# KiCad board ece499_project.kicad_pcb (continued)
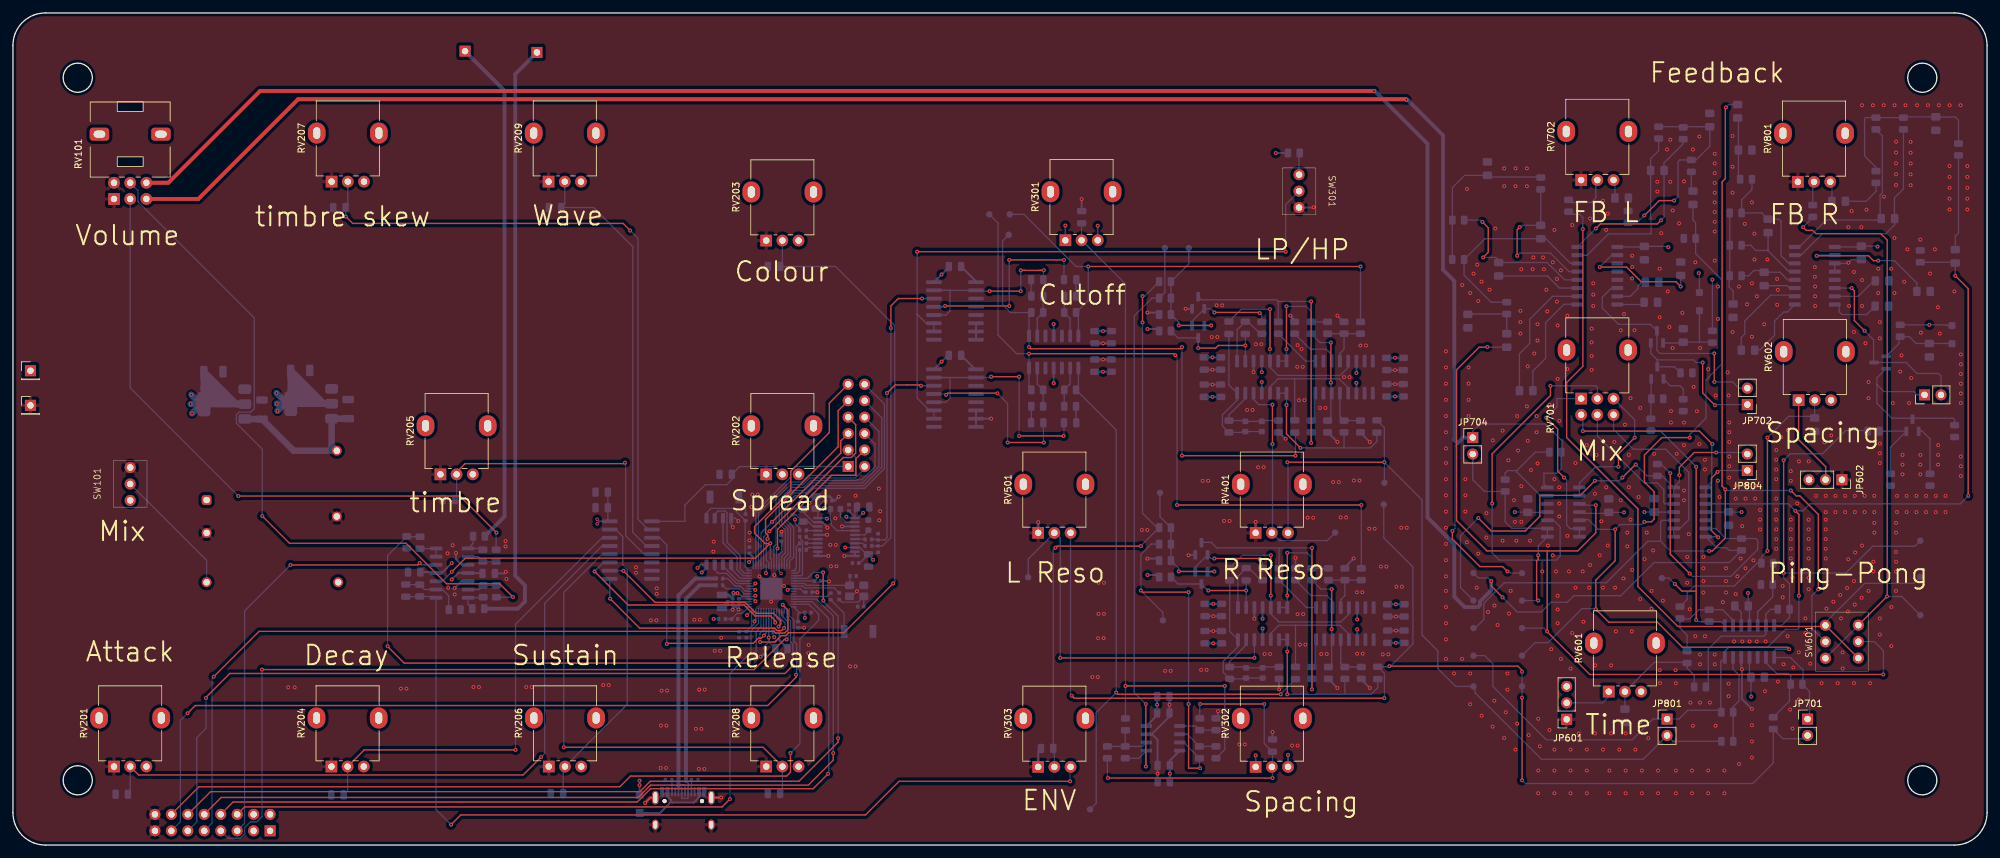
[diagram p0: board, top side]
## Routing (per net, layer and track width the routed paths; a pad name or vN(x,y) marks a point on that pad's centre or on a via; arc(x,y) is an arc through that point) (continued)
/MCU_AUDIO_L: length 32.7
  Top w0.2: v1(140.21,70.93) 140.08,71.06 138.08,71.06 138.08,71.05 136.2,71.05 v1(134.95,69.8)
  Bottom w0.2: v1(140.21,70.93) U304.14 ; R121.1 133.5,47.2 C134.1 134.58,47.12 134.6,47.1 134.95,47.45 v1(134.95,69.8)
/MCU_AUDIO_R: length 46.4
  Top w0.2: v1(135.55,79.85) 135.55,83.26 136.69,84.4 140.36,84.4 v1(140.37,84.39)
  Bottom w0.2: v1(140.37,84.39) U303.14 ; R122.1 133.56,46.2 C135.1 134.25,46.18 135.55,47.48 135.55,69.4 135.55,69.4 135.55,79.85 v1(135.55,79.85)
/MS-20 Filter/cutoff: length 106.4
  Top w0.2: v1(171.77,24.57) v1(187.1,24.57)
  Bottom w0.2: R301.2 v1(171.77,24.57) 171.77,86.64 165.02,93.39 RV301.2 ; 165.01,93.38 RV301.2 ; RV301.2 164.99,96 C303.1 ; R303.2 187.1,14.77 v1(187.1,24.57)
/MS-20 Filter/cutoff_L: length 57.1
  Top w0.2: v1(183.29,11.87) 181.52,11.87 v1(181.52,21.78) ; v1(181.52,39.05) 174.4,39.05 v1(174.15,39.31)
  Bottom w0.2: TP1.1 177.55,35.91 v1(174.15,39.31) 174.15,44.89 175.73,46.47 R505.1 ; v1(181.52,21.78) v1(181.52,39.05) ; U301.7 180.76,15.84 R307.1 183.2,11.97 v1(183.29,11.87)
/MS-20 Filter/cutoff_R: length 89.6
  Top w0.2: v1(174.91,12.13) v1(174.91,21.78)
  Bottom w0.2: v1(174.91,12.13) 175,12.22 U301.1 173.84,13.41 R306.1 ; v1(174.91,21.78) 173.13,23.56 173.13,81.72 175.88,84.47 R405.1 177.85,85.34 TP2.1
/MS-20 Filter/env: length 91.9
  Top w0.2: v1(160.94,45.91) 161.2,46.16 v1(174.15,46.16) ; v1(174.4,80.71) v1(174.4,84.77)
  Bottom w0.2: v1(174.4,80.71) 174.4,51.24 176.64,49.01 R504.1 174.15,46.19 v1(174.15,46.16) ; v1(174.4,84.77) 174.74,84.77 R404.1 ; RV303.2 160.79,14.75 C305.1 160.62,45.59 v1(160.94,45.91)
/MS-20 Filter/env_cutoff: length 141.4
  Top w0.2: v1(163.23,9.84) 136.81,9.84 131.62,4.65 69.15,4.65 v1(67.65,3.15)
  Bottom w0.2: C112.2 62.76,38.35 R106.2 65.13,38.39 U105.8 65.33,5.47 v1(67.65,3.15) ; RV303.3 163.23,12.01 v1(163.23,9.84)
/MS-20 Filter/HPLP Filter L/HP_in: length 101.4
  Top w0.2: v1(195.75,23.29) 170.61,23.29 v1(170.34,23.56)
  Bottom w0.2: v1(195.75,23.29) 195.75,23.35 C503.2 ; TP5.1 167.26,6.46 167.26,20.47 v1(170.34,23.56) 170.34,64.09 R315.2 164.5,70.65 U302.8
/MS-20 Filter/HPLP Filter L/LP_in: length 115.1
  Top w0.2: v1(179.74,52.51) v1(208.19,52.51) ; v1(156.88,75.88) 179.23,75.88 v1(179.48,75.63)
  Bottom w0.2: v1(179.48,75.63) 179.74,75.37 v1(179.74,52.51) ; v1(208.19,52.51) R501.1 ; TP6.1 152.1,96.05 152.1,78.75 154.97,75.88 v1(156.88,75.88) U302.14 156.88,70.65 R316.2
/MS-20 Filter/HPLP Filter R/HP_in: length 83.4
  Top w0.2: v1(180.5,76.9) 180.25,76.65 157.13,76.65 v1(156.88,76.9) ; v1(180.5,60.13) v1(198.03,60.13)
  Bottom w0.2: v1(156.88,76.9) U302.1 156.88,81.87 R313.2 154,82.23 152.8,83.43 152.8,93.3 TP3.1 ; C403.2 198.03,63.56 v1(198.03,60.13) ; v1(180.5,76.9) v1(180.5,60.13)
/MS-20 Filter/HPLP Filter R/LP_in: length 77.7
  Top w0.2: v1(208.06,89.34) v1(166.02,89.34)
  Bottom w0.2: TP4.1 156.09,97.4 164.14,89.34 v1(166.02,89.34) 166.02,84.11 R314.2 164.5,81.87 U302.7 ; v1(208.06,89.34) R401.1
/MS-20 Filter/spacing: length 52.7
  Top w0.2: v1(183.29,21.78) v1(193.2,21.78) ; v1(169.07,10.35) v1(194.47,10.35)
  Bottom w0.2: v1(169.07,10.35) 168.98,10.44 R302.2 ; 194.35,12.05 RV302.2 ; RV302.2 194.47,11.97 v1(194.47,10.35) ; RV302.2 194.37,12.28 194.47,12.38 C304.1 193.2,15.68 v1(193.2,21.78) ; v1(183.29,21.78) 183.24,21.72 R304.2
/MS-20 Filter/switch: length 99
  Top w0.2: v1(196.5,91.63) v1(139.61,91.63)
  Bottom w0.2: SW301.2 196.5,98.92 v1(196.5,91.63) ; 139.61,81.97 139.73,81.85 ; 139.61,81.97 139.61,69.02 141.51,67.12 U304.11 U304.10 ; 139.61,81.97 141,80.58 U303.11 U303.10 ; 139.61,81.97 v1(139.61,91.63)
/QSPI_SCLK: length 5.2
  Bottom w0.2: U102.6 109.62,43.07 111.91,40.79 U107.56
/QSPI_SD0: length 4
  Bottom w0.2: U102.5 110.89,42.61 112.32,41.19 U107.57
/QSPI_SD1: length 14
  Bottom w0.2: U107.59 112.92,41.99 112.29,42.62 112.29,44.69 110.25,46.73 110.25,51.32 109.98,51.59 108.86,51.59 108.36,51.08 108.36,50.48
/QSPI_SD2: length 11.1
  Bottom w0.2: U102.3 109.62,46.66 111.8,44.49 111.8,42.52 112.73,41.59 U107.58
/QSPI_SD3: length 7.1
  Bottom w0.2: 112.79,40.39 112.92,40.39 ; 112.79,40.39 111.75,40.39 110.16,41.97 108.88,41.97 108.36,42.49 108.36,43.3 ; 112.79,40.39 112.79,40.39 U107.55
/QSPI_SS: length 15.9
  Bottom w0.2: U102.1 107.08,51.29 107.79,51.99 111.2,51.99 R107.2 113.05,50.04 113.05,43 U107.60
/RUN: length 5.9
  Bottom w0.2: U107.26 125.74,38.39 R108.2
/stereo_delay/Left delay control: length 44.2
  Top w0.2: 259.89,39.22 257.69,39.22 v1(256.59,40.32) ; 259.89,39.22 v1(259.89,58.42) ; 259.89,39.22 v1(259.89,34.75)
  Bottom w0.2: R707.1 254.3,64.01 v1(259.89,58.42) 259.64,58.67 ; v1(256.59,40.32) 255.69,41.22 TP708.1 ; U605.1 263.72,34.51 R606.1 260.13,34.51 v1(259.89,34.75)
/stereo_delay/Left delay output: length 314.2
  Top w0.2: v1(230.75,42.25) 230,43 226.5,43 222.25,47.25 v1(222.25,48.5)
  Top w0.6: RV101.3 28.62,99.77 44.02,115.17 215.07,115.17 v1(215.15,115.1)
  Bottom w0.2: v1(222.25,48.5) 222.65,48.9 222.65,61.65 223.05,62.05 ; v1(230.75,42.25) 231,42.25 231.25,42 TP713.1 ; JP704.1 225.39,63.92 226.49,65.02 236.59,65.02 239.19,62.42 239.19,60.81 R719.1 239.05,58.08 238.39,57.42 236.39,57.42 236.39,55.75 U701.14
  Bottom w0.6: JP704.1 223.92,62.92 223.05,62.05 222.55,62.55 222.55,87.1 220.8,88.85 220.8,109.6 215.3,115.1 v1(215.15,115.1)
/stereo_delay/left_delay/anti-latchup: length 27.7
  Top w0.2: v1(260.89,74.52) 260.89,69.82 v1(262.79,67.92)
  Bottom w0.2: JP702.1 262.89,68.02 v1(262.79,67.92) ; R711.2 256.54,73.86 Q701.3 253.89,74.92 ; 253.89,74.92 252.88,75.93 Q702.2 ; 253.89,74.92 259.48,74.92 259.88,74.52 v1(260.89,74.52)
/stereo_delay/left_delay/delay-feedback-in: length 31.6
  Top w0.2: v1(256.49,99.52) 254.19,99.52 v1(251.89,97.22)
  Bottom w0.2: R710.1 250.76,96.09 v1(251.89,97.22) ; R705.1 260.64,110.93 260.65,110.92 C704.2 261.99,107.92 259.87,105.79 R702.2 257.37,105.79 257.09,105.52 257.09,100.12 v1(256.49,99.52)
/stereo_delay/left_delay/delay-feedback-out : length 143.8
  Top w0.2: 236.89,45.42 241.59,45.42 244.39,48.22 v1(244.39,52.49) ; 236.89,45.42 227.59,45.42 222.89,50.12 222.89,73.38 226.39,76.88 227.6,76.88 v1(227.64,76.92) ; 236.89,45.42 v1(236.89,33) 236.89,32.92 243.47,26.34 v1(288.79,26.34)
  Bottom w0.2: v1(244.39,52.49) 242.06,52.49 U701.3 ; SW601.5 287.39,31.42 288.79,30.02 v1(288.79,26.34) ; TP701.1 236.39,33.5 v1(236.89,33) ; 231.16,76.88 227.68,76.88 v1(227.64,76.92)
/stereo_delay/left_delay/delay-mono-input: length 198.6
  Top w0.2: v1(211.74,22.68) 163.85,22.68 v1(163.48,23.05) ; v1(233,10) v1(233,22.75) ; v1(233,26.75) 233,27 232.38,27.62 v1(212.5,27.62)
  Bottom w0.2: v1(211.74,22.68) 211.74,22.8 211.75,22.81 211.75,26.51 C506.2 212.41,27.53 v1(212.5,27.62) 212.7,27.62 216.15,31.07 216.15,42.95 211.65,47.45 TP11.1 ; v1(233,22.75) v1(233,26.75) ; RV501.3 163.29,23.24 v1(163.48,23.05) ; v1(233,10) 233.5,9.5 268.61,9.5 271.79,12.68 R703.2 273.28,16.42 276.59,16.42 JP701.2
/stereo_delay/left_delay/dry-input: length 148.7
  Top w0.2: v1(274.25,30.25) 273.95,30.55 257.76,30.55 253.89,34.42 246.39,34.42 v1(244.39,36.42) 244.39,40.92 247.39,43.92 v1(247.39,48.75) ; v1(258.89,62.92) 254.59,62.92 251.89,60.22 251.89,56.07 253.39,54.57 253.39,50.32 252.99,49.92 v1(251.89,49.92)
  Bottom w0.2: JP701.1 277.39,19.76 277.39,23.73 R704.1 276.3,25.72 276.39,25.81 276.39,27.02 274.44,28.97 U605.8 271.93,29.96 272.22,30.25 v1(274.25,30.25) ; v1(258.89,62.92) 258.89,63.42 261.39,65.92 261.39,71.82 263.89,74.32 263.89,87.26 259.8,91.34 R701.2 259.8,96.11 259.39,96.52 C702.2 ; v1(251.89,49.92) 251.47,49.5 248.14,49.5 v1(247.39,48.75) 244.75,48.75 243.25,50.25 241.97,50.25 U701.5 ; v1(244.39,36.42) 244.31,36.5 242.25,36.5 237,31.25 235,31.25 TP702.1
/stereo_delay/left_delay/fb-sw-in: length 121.9
  Top w0.2: v1(242.39,95.12) 242.39,73.92 239.89,71.42 239.89,62.92 250.89,51.92 250.89,39.92 257.06,33.75 279.67,33.75 SW601.3 284.9,28.88
  Bottom w0.2: v1(242.39,95.12) 242.39,96.92 241.9,97.41 240.59,97.41 R713.2 ; TP603.1 293.5,40.42 285.89,40.42 279.85,34.38 SW601.3
/stereo_delay/left_delay/LFP2-IN: length 24.2
  Top w0.2: v1(232.64,95.42) 232.25,95.03 v1(232.25,91)
  Bottom w0.2: v1(232.64,95.42) 232.81,95.42 233.1,95.71 C714.1 R715.2 ; U706.13 240.25,88.55 237.39,91.42 232.67,91.42 v1(232.25,91)
/stereo_delay/left_delay/LPF1-IN: length 28.6
  Top w0.2: v1(254.45,96.48) 253.89,95.92 245.1,95.92 v1(244.39,95.22)
  Bottom w0.2: R706.2 257.89,108.32 254.93,105.36 C705.2 254.93,96.96 v1(254.45,96.48) ; v1(244.39,95.22) U706.16
/stereo_delay/left_delay/LPF1-OUT: length 28
  Bottom w0.2: U706.15 243.06,91.09 246.35,94.38 252.93,94.38 252.93,96.81 252.85,96.88 C705.1 252.85,105.98 254.09,107.22 R705.2
/stereo_delay/left_delay/LPF2-OUT: length 31.1
  Bottom w0.2: R718.2 228.23,83.83 224.05,88.01 R716.2 227.26,93.63 C714.2 236.68,93.63 240.49,89.82 U706.14
/stereo_delay/left_delay/mixed-delay: length 35.8
  Top w0.2: v1(235.5,44.75) 235.5,44.1 235.25,43.85 235.25,38 v1(235.5,37.75)
  Bottom w0.2: JP704.2 225.39,56.42 227.2,54.61 R717.2 230.39,49.92 231.39,48.92 236.88,48.92 U701.9 U701.8 235.5,46.19 v1(235.5,44.75) ; v1(235.5,37.75) TP706.1
/stereo_delay/left_delay/OP1-IN: length 20.5
  Bottom w0.2: C711.2 232.6,75.88 234.19,77.47 234.19,81.22 237.72,84.74 U706.10
/stereo_delay/left_delay/OP1-OUT: length 17.4
  Bottom w0.2: U706.9 241.5,83.52 239.49,83.52 236.64,80.67 236.64,75.17 234.68,73.21 C711.1
/stereo_delay/left_delay/OP2-IN: length 12.9
  Bottom w0.2: C712.1 236.93,87.88 238.79,86.01 U706.11
/stereo_delay/left_delay/OP2-OUT: length 25.3
  Top w0.2: v1(226.89,96.22) 227.79,95.32 227.79,91.54 v1(227,90.75)
  Bottom w0.2: R714.1 226.6,96.51 v1(226.89,96.22) ; v1(227,90.75) 228.96,90.75 229.39,90.32 C712.2 236.85,89.96 237.39,89.42 237.43,89.42 239.56,87.28 U706.12
/stereo_delay/left_delay/vco control: length 36.5
  Top w0.2: v1(262.69,75.92) v1(262.69,71.52)
  Bottom w0.2: U706.6 246.8,86.01 245.39,84.6 245.39,82.92 247.89,80.42 252.81,80.42 Q702.3 253.83,76.38 254.29,75.92 v1(262.69,75.92) ; v1(262.69,71.52) 265.53,71.52 266.49,70.56 JP702.2
/stereo_delay/Right delay control: length 65.6
  Top w0.2: v1(273.39,42.02) v1(273.39,59.42)
  Bottom w0.2: TP808.1 293.65,46.15 287.14,46.15 283.01,42.02 v1(273.39,42.02) 273.39,41.24 274.3,40.33 R607.1 274.3,35.13 273.09,33.92 U605.7 ; R807.1 286.28,64.02 282.99,64.02 279.39,60.42 274.39,60.42 v1(273.39,59.42)
/stereo_delay/Right delay output: length 360.1
  Top w0.2: v1(263.29,47.52) 262.25,48.56 262.25,56.68 v1(263.19,57.62) ; v1(230,38.25) 228.25,40 v1(228.25,40.75)
  Top w0.6: v1(210.15,116.45) 38.16,116.45 23.99,102.27 RV101.6
  Bottom w0.2: v1(230,38.25) 232.25,36 236,36 237.5,37.5 240,37.5 241,38.5 248.25,38.5 253.37,43.62 265,43.62 R819.1 264.98,45.51 264.56,45.92 263.06,45.92 U801.14 263.2,47.61 v1(263.29,47.52) ; JP804.1 263.42,57.84 v1(263.19,57.62) ; TP813.1 226.25,41.25 227.75,41.25 v1(228.25,40.75)
  Bottom w0.6: v1(228.25,40.75) 228.25,39.35 226.5,37.6 226.5,37.05 226.2,36.75 224.15,36.75 222.55,38.35 222.55,46.45 218.4,50.6 218.4,108.3 210.3,116.4 210.2,116.4 v1(210.15,116.45)
/stereo_delay/right_delay/anti-latchup: length 28
  Bottom w0.2: 287.79,71.12 287.79,68.22 290.09,65.92 293.13,65.92 Q801.3 293.45,65.92 299.59,65.92 299.79,65.72 R811.2 ; 287.79,71.12 288.89,70.02 293.51,70.02 294.01,69.52 JP802.1 ; 287.79,71.12 287.79,72.13 Q802.2
/stereo_delay/right_delay/delay-feedback-in: length 27.2
  Bottom w0.2: R810.1 287.64,104.67 285.89,106.42 285.89,112.17 286.05,112.33 R806.1 R805.1 292.3,112.33 292.43,112.46 C804.2 296.93,112.42 299.89,112.42 300.39,111.92 R802.2
/stereo_delay/right_delay/delay-feedback-out : length 158.4
  Top w0.2: v1(264.49,113.92) 264.39,113.82 264.39,102.92 263.89,102.42 263.89,55.42 v1(264.39,54.92) 264.39,47.42 262.39,45.42 v1(261.89,45.42) ; v1(274.5,54.75) 275.33,53.92 275.89,53.92 278.75,51.06 v1(278.75,39.5)
  Bottom w0.2: v1(261.89,45.42) 255.89,45.42 254.39,46.92 ; SW601.2 277.75,33.49 277.75,38.5 v1(278.75,39.5) ; v1(264.39,54.92) 264.56,54.75 v1(274.5,54.75) ; 225.5,33.25 227.1,34.85 227.1,37.35 230.25,40.5 246,40.5 252.42,46.92 254.39,46.92 ; 254.39,46.92 254.39,49.92 254.62,50.15 256.42,50.15 ; C816.1 264.93,114.36 v1(264.49,113.92)
/stereo_delay/right_delay/delay-mono-input: length 123.6
  Top w0.2: v1(196.76,59.12) v1(211.74,59.12) 211.87,59.25
  Bottom w0.2: RV401.3 196.87,59 v1(196.76,59.12) ; v1(211.74,59.12) 211.74,64.45 210.6,65.59 ; v1(211.74,59.12) 217.55,53.31 217.55,32.45 220,30 220,27.25 222.75,24.5 225.75,24.5 225.75,23.5 236,13.25 251.72,13.25 JP801.2 256.29,16.02 R803.2 ; v1(211.74,59.12) 211.75,59.11 TP12.1
/stereo_delay/right_delay/dry-input: length 172.9
  Top w0.2: v1(275.75,38.5) 275.75,51.06 v1(275.19,51.62) ; v1(299.89,87.92) 301.89,85.92 v1(301.89,53.92)
  Bottom w0.2: v1(299.89,87.92) C802.2 299.76,90.01 R801.2 ; U801.10 274.12,52.69 v1(275.19,51.62) 276.37,51.62 277.44,52.69 300.66,52.69 v1(301.89,53.92) ; TP802.1 227.25,29.25 228.5,28 228.5,24.5 236.75,16.25 250,16.25 253.21,19.46 JP801.1 257.23,19.46 258.59,20.82 263.48,20.82 R804.1 263.78,20.71 263.69,20.79 263.69,28.35 U605.14 264.31,29.94 264.97,30.6 270.97,30.6 273.69,33.32 275.57,33.32 275.75,33.5 v1(275.75,38.5)
/stereo_delay/right_delay/fb-sw-in: length 90.9
  Top w0.2: SW601.6 v1(289.36,38.39) 289.39,38.42 289.39,93.42 288.39,94.42 278.39,94.42 277.89,94.92 276.89,94.92 v1(276.39,95.42)
  Bottom w0.2: v1(289.36,38.39) 291.61,38.39 TP604.1 ; R813.2 277.89,96.92 v1(276.39,95.42) ; SW601.1 284.93,33.93
/stereo_delay/right_delay/LFP2-IN: length 12.7
  Bottom w0.2: 270.99,91.92 270.99,91.77 274.21,88.55 U806.13 ; 270.99,91.92 270.89,91.82 269.09,91.82 268.29,92.62 R815.2 ; 270.99,91.92 C814.1
/stereo_delay/right_delay/LPF1-IN: length 28.9
  Bottom w0.2: 275.8,92.36 279.96,96.52 288.23,96.52 C805.2 288.29,96.92 288.29,100.37 288.64,100.72 288.64,109.51 R806.2
/stereo_delay/right_delay/LPF1-OUT: length 32
  Bottom w0.2: 275.8,91.09 276.06,91.09 279.39,94.42 289.17,94.42 290.54,95.79 C805.1 290.5,96.79 290.5,99.93 291.89,101.32 R805.2
/stereo_delay/right_delay/LPF2-OUT: length 20.4
  Bottom w0.2: U806.14 274.21,89.82 272.99,91.04 272.99,96.32 272.65,96.66 C814.2 270.03,97.62 R816.2 266.9,99.63 268.5,101.23 R818.2
/stereo_delay/right_delay/mixed-delay: length 69.7
  Top w0.2: v1(226.25,50.5) 228.25,48.5 233.5,48.5 235.75,50.75 235.75,54 242,54 v1(244.25,56.25) ; v1(248.5,56.75) 250.5,58.75 v1(250.56,58.75) ; v1(257.29,57.12) 257.29,58.32 259.59,60.62 v1(262.99,60.62)
  Bottom w0.2: v1(244.25,56.25) 248,56.25 v1(248.5,56.75) ; v1(257.29,57.12) 257.29,56.1 256.42,55.23 ; TP806.1 223.5,39.75 223.5,47.75 v1(226.25,50.5) ; JP804.2 267.56,60.62 v1(262.99,60.62) ; 256.42,55.23 254.64,57.01 R817.2 252.3,57.01 v1(250.56,58.75) 250.5,58.75 ; 256.42,55.23 256.42,53.96
/stereo_delay/right_delay/OP1-IN: length 14.9
  Bottom w0.2: 275.8,84.74 275.63,84.92 271.39,84.92 267.39,80.92 267.39,78.92 266.85,78.38 C811.2
/stereo_delay/right_delay/OP1-OUT: length 10.7
  Bottom w0.2: 268.59,76.48 269.75,76.48 271.99,78.72 271.99,80.92 273.39,82.32 273.96,82.32 U806.9
/stereo_delay/right_delay/OP2-IN: length 5.6
  Bottom w0.2: 275.8,86.01 274.3,86.01 273.93,86.38 C812.1
/stereo_delay/right_delay/OP2-OUT: length 9.8
  Bottom w0.2: R814.1 267.99,87.92 268.79,88.72 270.13,88.72 C812.2 272.85,88.46 274.02,87.28 275.8,87.28
/stereo_delay/right_delay/vco control: length 28.9
  Top w0.2: v1(283.89,86.01) 284.3,85.6 284.3,81.01 v1(285.89,79.42)
  Bottom w0.2: JP802.2 297.69,72.42 297.29,72.82 293.99,72.82 292.29,74.52 Q802.3 287.29,74.58 287.29,78.02 v1(285.89,79.42) ; v1(283.89,86.01) 281.98,86.01
/USB_D+: length 39.4
  Bottom w0.2: J101.A6 103.75,9.21 103.7,9.26 102.8,9.26 102.75,9.21 J101.B6
  Bottom w0.6: R109.1 105.36,41.16 102.75,38.55 102.75,9.05
/USB_D-: length 38.4
  Bottom w0.2: J101.A7 103.25,7.26 103.3,7.21 104.16,7.21 104.25,7.3 J101.B7 104.25,9.55 103.9,9.9
  Bottom w0.6: R110.1 106.02,40.12 103.9,38 103.9,9.9
/VREG_AVDD: length 4.5
  Bottom w0.2: U107.46 113.61,36.79 112.59,35.77 111.81,35.77 C114.1 R105.2
/VREG_LX: length 4.6
  Bottom w0.2: U107.48 110.43,37.59
  Bottom w0.6: 110.43,37.59 L101.2
/XIN: length 10.2
  Bottom w0.2: C104.1 129.24,40.18 Y103.1 122.5,40.11 122.22,40.39 U107.21
/XOUT: length 7.5
  Bottom w0.2: U107.22 121.97,39.99 122.25,39.71 126.8,39.71 R103.2
/~{USB_BOOT}: length 2.8
  Bottom w0.2: R107.1 113.1,52.92 112.42,53.6
Net-(C105-Pad1): length 6
  Bottom w0.2: C105.1 131.37,36.83 Y103.3 130.47,37.51 127.98,37.51 R103.1
Net-(C314-Pad2): length 2.6
  Bottom w0.2: R309.1 157.2,84.81 C314.2
Net-(C315-Pad2): length 2.6
  Bottom w0.2: C315.2 164.14,87.27 R310.1
Net-(C316-Pad2): length 2.6
  Bottom w0.2: R311.1 164.14,65.25 C316.2
Net-(C317-Pad2): length 2.6
  Bottom w0.2: C317.2 157.24,65.25 R312.1
Net-(C402-Pad1): length 9.9
  Bottom w0.2: R413.2 192.56,78.97 190.69,80.83 C402.1 189.01,79.56 U402.1
Net-(C502-Pad1): length 9.9
  Bottom w0.2: U502.1 189.14,41.5 C502.1 190.82,42.77 192.68,40.91 R513.2
Net-(C601-Pad2): length 18.4
  Bottom w0.2: R604.2 259.58,26.23 258.49,27.32 R601.2 258.38,28.22 253.42,28.22 RV601.2 C601.2
Net-(C602-Pad2): length 46.8
  Top w0.2: v1(270.89,45.42) v1(270.89,62.92)
  Bottom w0.2: 278.21,68.27 278.18,68.24 C602.2 277.93,66.21 274.18,66.21 v1(270.89,62.92) ; v1(270.89,45.42) 269.96,44.49 R603.2 269.27,43.52 265.75,40 259.57,40 258.49,38.92 258.49,37.93 R602.2
Net-(C702-Pad1): length 3.1
  Bottom w0.2: R702.1 259.14,101.24 259.39,100.99
Net-(C709-Pad1): length 2
  Bottom w0.2: C709.1 249.43,97.96 R710.2
Net-(C709-Pad2): length 2.9
  Bottom w0.2: C709.2 247.35,102.47 RV702.3
Net-(C713-Pad2): length 24.9
  Bottom w0.2: R716.1 222.23,96.49 R714.2 222.25,101.52 224.14,103.42 C713.2 227.91,103.17 235.16,103.17
Net-(C715-Pad2): length 9.3
  Bottom w0.2: C715.2 224.69,82.01 R718.1 230.64,79.47 231.16,78.96
Net-(C802-Pad1): length 14.8
  Bottom w0.2: R802.1 300.39,94.51 299.89,94.01 C802.1
Net-(C809-Pad1): length 6.7
  Bottom w0.2: R810.2 287.64,100.92 286.14,99.42 C809.1
Net-(C809-Pad2): length 2.5
  Bottom w0.2: C809.2 280.85,101.59 280.59,101.85
Net-(C813-Pad2): length 14.3
  Bottom w0.2: C813.2 265.59,85.58 264.99,86.18 264.99,87.83 R814.2 R815.1 R816.1
Net-(C815-Pad2): length 9.6
  Bottom w0.2: R818.1 266.42,103.08 266.42,112.16 C816.2
Net-(D401-A): length 13
  Bottom w0.2: U402.13 190.28,68.96 187.74,66.42 R410.1 189.93,65.55 190.05,65.43 D401.2 D402.1 192.94,65.55 R411.2
Net-(D401-K): length 22.2
  Bottom w0.2: C401.2 187.74,71.06 U402.14 189.01,68.7 186.74,66.43 186.74,64.73 R410.2 189.67,63.73 189.8,63.85 D401.1 D402.2
Net-(D501-A): length 13
  Bottom w0.2: U502.13 190.41,30.9 187.87,28.36 R510.1 190.05,27.49 190.18,27.37 D501.2 D502.1 193.07,27.49 R511.2
Net-(D501-K): length 22.2
  Bottom w0.2: C501.2 187.87,33 U502.14 189.14,30.65 186.87,28.38 186.87,26.67 R510.2 189.8,25.67 189.92,25.79 D501.1 D502.2
Net-(D701-A): length 12.6
  Bottom w0.2: 260.39,77.66 262.31,77.66 R712.2 ; 260.39,77.66 C708.2 ; 260.39,77.66 D701.2 ; Q702.1 257.74,77.53 257.89,77.38
Net-(D801-A): length 12.4
  Bottom w0.2: Q802.1 291.2,77.44 291.2,78.32 R812.2 292.8,78.51 293.85,77.46 C808.2 299.35,77.46 D801.2
Net-(J101-CC1): length 1.8
  Bottom w0.2: R101.1 J101.A5
Net-(J101-CC2): length 1.8
  Bottom w0.2: R102.1 J101.B5
Net-(J102-Pin_5): length 67.2
  Top w0.2: v1(42.85,43.25) 62.5,43.25 v1(62.8,43.55)
  Bottom w0.2: U105.12 63.08,43.27 v1(62.8,43.55) ; J102.5 35.77,3.35 35.77,36.17 v1(42.85,43.25)
Net-(JP601-C): length 7.7
  Bottom w0.2: RV601.1 246.39,22.92 245.43,21.96 JP601.2
Net-(JP602-C): length 14
  Top w0.2: 279.89,56.42 279.89,58.42 275.71,62.6 RV602.1
Net-(Q401-B): length 19.7
  Top w0.2: v1(185,80.25) v1(180,80.25)
  Bottom w0.2: v1(185,80.25) 184.94,80.19 Q401.2 ; TP9.1 181.55,89.76 R404.2 R405.2 R406.1 180,80.72 v1(180,80.25)
Net-(Q401-C): length 17.9
  Top w0.2: v1(190.28,77.15) 186.1,77.15 185.7,76.75 v1(183,76.75)
  Bottom w0.2: R409.1 179.87,78.31 Q401.3 v1(183,76.75) ; C402.2 U402.2
Net-(Q401-E): length 13.7
  Top w0.2: v1(185.5,82.25) 192.4,82.25 v1(192.5,82.15)
  Bottom w0.2: v1(185.5,82.25) 184.94,82.81 Q402.1 182.05,80.91 Q401.1 ; R413.1 192.82,81.83 v1(192.5,82.15)
Net-(Q402-C): length 44.4
  Top w0.2: v1(200.44,83.94) v1(200.44,62.1)
  Bottom w0.2: v1(200.44,83.94) 195.36,83.94 ; Q402.3 183.49,84.2 195.1,84.2 195.36,83.94 ; v1(200.44,62.1) R416.2 ; 195.36,83.94 R407.1
Net-(Q501-B): length 19.9
  Top w0.2: v1(185.5,42.25) v1(180,42.25)
  Bottom w0.2: Q501.2 185.44,42.19 v1(185.5,42.25) ; TP10.1 177.1,50.71 R504.2 R505.2 R506.1 180,42.73 v1(180,42.25)
Net-(Q501-C): length 16.7
  Top w0.2: v1(184.56,39.31) v1(190.41,39.31)
  Bottom w0.2: C502.2 U502.2 ; R509.1 179.88,40.31 Q501.3 184.51,39.31 v1(184.56,39.31)
Net-(Q501-E): length 13.3
  Top w0.2: v1(185.5,44.25) 192.4,44.25 v1(192.5,44.15)
  Bottom w0.2: v1(185.5,44.25) 185.01,44.25 Q502.1 182.55,42.91 Q501.1 ; R513.1 192.95,43.7 v1(192.5,44.15)
Net-(Q502-C): length 44.1
  Top w0.2: v1(200.57,45.89) v1(200.57,24.04)
  Bottom w0.2: v1(200.57,24.04) R516.2 ; v1(200.57,45.89) 195.49,45.89 ; R507.1 195.49,45.89 ; 195.49,45.89 185.86,45.89 185,46.75 183.56,46.75 Q502.3
Net-(Q701-B): length 6.2
  Bottom w0.2: R707.2 252.89,68.74 252.98,68.83 R708.1 252.94,68.96 Q701.2
Net-(Q701-E): length 5.3
  Bottom w0.2: R709.2 257.89,70.42 257.39,70.92 255.9,70.92 Q701.1
Net-(Q801-B): length 12.4
  Bottom w0.2: 287.8,63.92 287.89,63.92 ; 287.89,63.92 R807.2 ; 287.89,63.92 292.3,63.92 Q801.2 289.94,61.48 289.94,61.38 289.89,61.33 R808.1
Net-(Q801-E): length 7.7
  Bottom w0.2: R809.2 295.99,62.72 294.73,63.98 294.34,63.98 Q801.1
Net-(R108-Pad1): length 5.7
  Bottom w0.2: R108.1 128.33,35.81 SW103.2
Net-(R115-Pad1): length 97.6
  Top w0.2: v1(34.8,53.9) 69,53.9 v1(74.65,48.25)
  Bottom w0.2: v1(34.8,53.9) 18.1,70.6 RV101.2 ; R115.1 74.6,48.2 v1(74.65,48.25)
Net-(R116-Pad1): length 109.7
  Top w0.2: v1(77.2,38.3) 75.15,40.35 66.95,40.35 60.7,46.6 42.7,46.6 v1(38.5,50.8)
  Bottom w0.2: RV101.5 19.3,101.07 19.3,99.38 37.25,81.43 37.25,67.39 36.71,66.85 34.89,66.85 34.5,66.46 34.5,65.14 38.5,61.14 v1(38.5,50.8) ; v1(77.2,38.3) 77.17,38.27 R116.1
Net-(R117-Pad2): length 4.6
  Bottom w0.2: R117.2 72.35,45.81 70.28,45.81 71.04,46.57 R119.1
Net-(R118-Pad2): length 4.3
  Bottom w0.2: R120.1 70.28,37.16 70.28,38.19 72.52,38.19 R118.2
Net-(R407-Pad2): length 7.5
  Bottom w0.2: U401.1 199.59,74.74 R407.2
Net-(R416-Pad1): length 4.5
  Bottom w0.2: U401.16 200.95,69.66 200.95,66.06 R416.1
Net-(R507-Pad2): length 7.5
  Bottom w0.2: U501.1 199.72,36.68 R507.2
Net-(R516-Pad1): length 4.5
  Bottom w0.2: U501.16 201.07,31.6 201.07,28 R516.1
Net-(R713-Pad1): length 7.5
  Bottom w0.2: R713.1 240.59,99.23 243.7,99.23 244.39,99.92 244.39,102.46 RV702.2
Net-(R813-Pad1): length 3.1
  Bottom w0.2: R813.1 277.89,101.65 278.09,101.85
Net-(SW101-B): length 20.1
  Bottom w0.2: SW101.2 29.9,43.96 U103.3
Net-(SW301-A): length 3.4
  Bottom w0.2: SW301.1 198.57,106.76 R308.2
Net-(U105A--): length 4.6
  Bottom w0.2: 70.28,44.54 71.8,44.54 R117.1 R115.2
Net-(U105B--): length 4.6
  Bottom w0.2: R116.2 R118.1 71.96,39.46 70.28,39.46
Net-(U105C--): length 9.5
  Bottom w0.2: R104.1 67.29,38.47 66.3,39.46 U105.9 63.55,39.46 R106.1 60.69,40.21 C112.1
Net-(U105D--): length 3.8
  Bottom w0.2: R123.2 65.3,45.79 U105.14 U105.13
Net-(U107-USB_DM): length 4.6
  Bottom w0.2: R110.2 110.13,39.58 112.12,39.58 112.89,38.81 112.91,38.81 112.93,38.79 U107.51
Net-(U107-USB_DP): length 4.9
  Bottom w0.2: U107.52 113.09,39.19 112.29,39.99 111.52,39.99 110.35,41.16 R109.2
Net-(U109-BCK): length 1.9
  Bottom w0.2: 124.28,45.95 122.82,45.95 R114.1
Net-(U109-CAPM): length 6.5
  Bottom w0.2: C129.2 126.2,50.72 126.28,50.65 126.28,50.15 126.35,50.08 126.35,49.45 127.25,48.55 U109.4
Net-(U109-CAPP): length 3.8
  Bottom w0.2: C129.1 127.75,50.72 128.62,49.85 U109.2
Net-(U109-DIN): length 1.8
  Bottom w0.2: 124.28,46.6 R111.1
Net-(U109-LDOO): length 4.7
  Bottom w0.2: 124.28,49.2 123.54,49.2 122.79,49.95 C132.1 120.91,51.02 C133.1
Net-(U109-LRCK): length 1.9
  Bottom w0.2: R113.1 122.84,47.25 124.28,47.25
Net-(U109-OUTL): length 1.6
  Bottom w0.2: R121.2 131.51,47.25 U109.6
Net-(U109-OUTR): length 1.7
  Bottom w0.2: R122.2 131.17,46.6 U109.7
Net-(U109-VNEG): length 2.3
  Bottom w0.2: 132.07,48.45 131.52,47.9 U109.5
Net-(U109-XSMT): length 1.8
  Bottom w0.2: R112.1 122.53,48.55 124.28,48.55
Net-(U301A--): length 8.8
  Bottom w0.2: R301.1 171.74,17.69 R306.2 ; R302.1 R306.2 ; R306.2 174.39,15.23 U301.2
Net-(U301B-+): length 5.9
  Bottom w0.2: R305.1 R304.1 182.6,18.38 U301.5
Net-(U301B--): length 6.4
  Bottom w0.2: U301.6 181.32,17.11 R307.2 R303.1
Net-(U302A--): length 6.5
  Bottom w0.2: U302.2 158.15,81.32 R313.1 R309.2
Net-(U302B--): length 6.5
  Bottom w0.2: U302.6 163.23,81.32 R314.1 R310.2
Net-(U302C--): length 6.3
  Bottom w0.2: U302.9 163.23,71.21 R315.1 R311.2
Net-(U302D--): length 6.3
  Bottom w0.2: R312.2 R316.1 158.15,71.21 U302.13
Net-(U303-A0): length 30.1
  Top w0.2: v1(159.16,88.76) 158.58,88.76 158.57,88.75 156.2,88.75 156.19,88.76 v1(155.61,88.76) ; v1(150.78,85.53) v1(155.61,85.53)
  Bottom w0.2: U303.12 144.05,81.85 144.69,82.49 144.69,85.66 U303.15 U303.2 148.82,85.53 v1(150.78,85.53) ; v1(159.16,88.76) 159.1,88.7 C314.1 ; v1(155.61,85.53) v1(155.61,88.76)
